# KiCad board SoundLab16StepSequencer.kicad_pcb (continued)
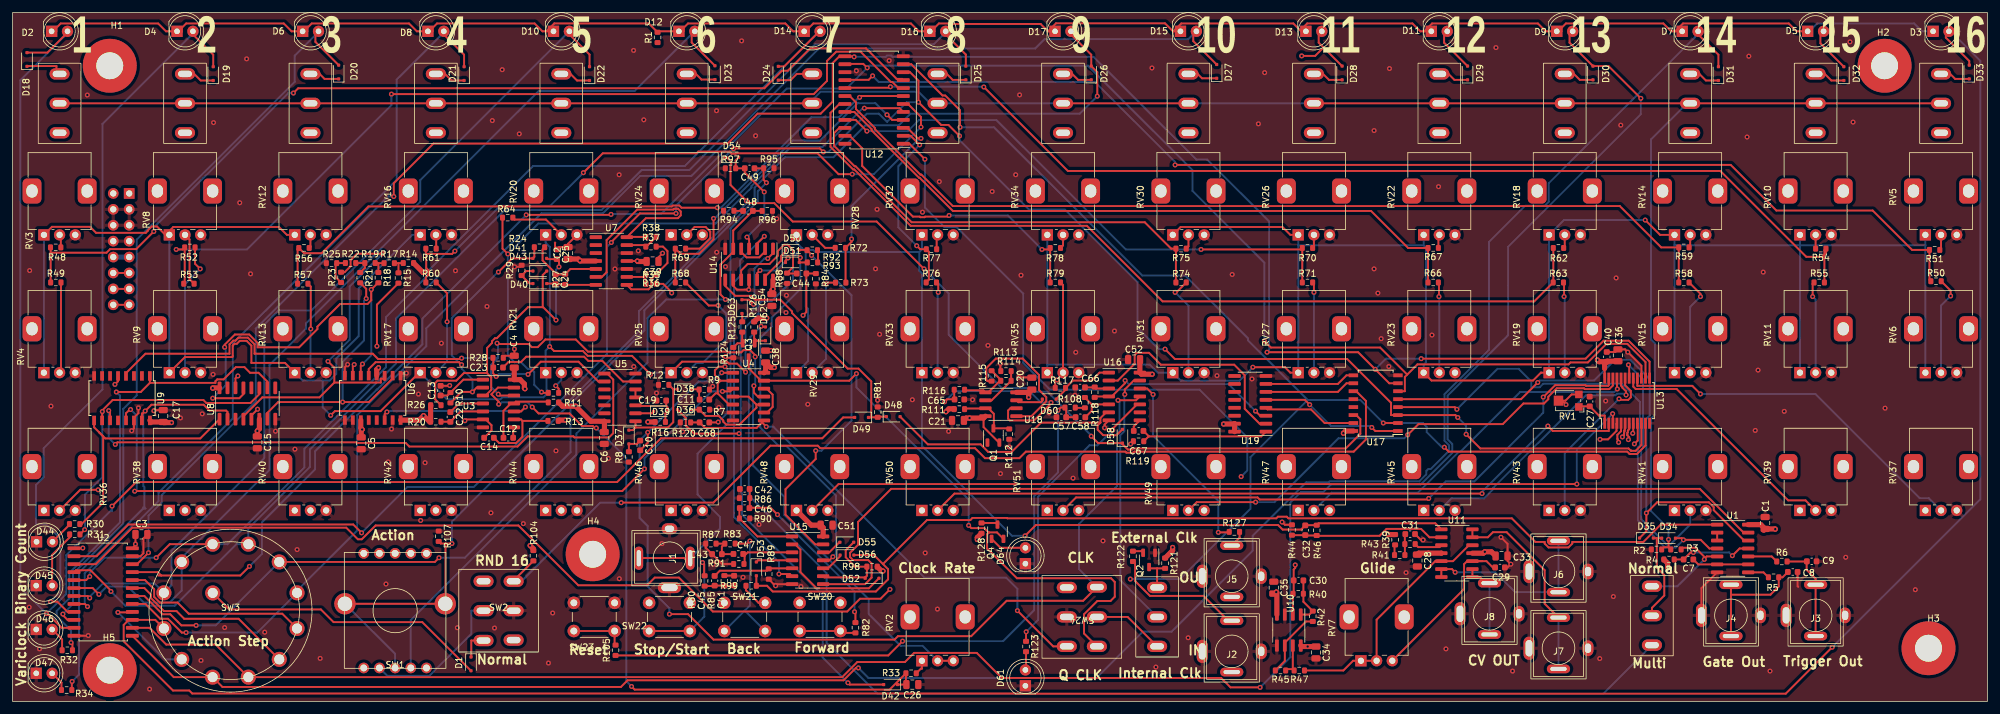
[diagram p0: board, top side]
## Routing (per net, layer and track width the routed paths; a pad name or vN(x,y) marks a point on that pad's centre or on a via; arc(x,y) is an arc through that point) (continued)
/SequencerClocking/DC: length 14.5
  Top w0.305: U17.10 212.7,50.81 211.32,49.43 U19.6
/SequencerClocking/DD: length 14.5
  Top w0.305: U19.7 211.32,50.7 212.7,52.07 U17.9
/SequencerClocking/DN: length 80.5
  Top w0.305: U17.4 229.96,47 v1(230.3,46.65) ; U1.4 270.57,24.43 269.19,25.81 v1(266.43,25.81) 266.16,26.07 D34.2
  Bottom w0.305: v1(266.43,25.81) 265.2,24.58 263.49,24.58 259.15,28.92 259.15,40.54 259.48,40.87 259.48,47.84 256.59,50.73 244.06,50.73 243.51,50.18 242.16,50.18 242.16,51.1 240.16,53.1 236.75,53.1 v1(230.3,46.65)
/SequencerClocking/FWD: length 257.3
  Top w0.305: D18.2 5.55,103.6 8.27,106.31 8.27,107 ; U2.11 7.83,11.76 5.56,14.03 v1(5.4,14.03) ; v1(15.86,31.18) 19.71,35.03 96.4,35.03 103.39,42.02 129.11,42.02 132.44,45.35 D49.2
  Bottom w0.305: 8.27,107 8.27,106.21 1.24,99.18 1.24,18.19 v1(5.4,14.03) 8.55,17.17 8.55,23.35 15.86,30.66 v1(15.86,31.18) 15.86,30.37
/SequencerClocking/REV: length 122.1
  Top w0.305: R84.2 128.07,68.33 C44.2 126.57,62.18 v1(126.05,61.65)
  In1.Cu w0.305: SW1.5 63.25,12.6 63.25,14.43 82.3,33.47 122.63,33.47 131.82,42.67 131.82,54.5 126.05,60.27 v1(126.05,61.65)
/SequencerClocking/RND: length 160.4
  Top w0.305: R104.1 79.9,19.3 SW2.6 ; v1(97.05,31.74) 97.07,31.75 111.76,31.75 120.84,40.84 128.39,40.84 128.79,40.44 153.46,40.44 155.05,38.85 160.53,38.85 161.58,39.89 177.43,39.89 177.61,39.72 178.69,39.72 178.87,39.89 213.85,39.89 215.8,41.84 215.8,47.99 214.25,49.53 U17.11
  Bottom w0.305: SW2.6 81.15,19.2 93.69,31.74 v1(97.05,31.74)
/SequencerClocking/RST: length 44.6
  Top w0.305: 173.46,44.52 163.98,44.52 159.31,39.85 155.56,39.85 154.36,41.05 145.95,41.05 D48.2 ; 173.46,44.52 173.02,44.08 173.02,43.39 173.89,42.52 176.05,42.52 D58.2 ; 173.46,44.52 173.46,45.24 174.37,46.16 U16.6
/SequencerClocking/STP: length 103.2
  Top w0.305: R96.2 118.04,78.33 114.91,75.19 114.91,71.8 112.87,69.76 112.87,64.99 v1(113.67,64.19)
  Bottom w0.305: SW1.2 63.5,13.01 89.9,39.41 89.9,42.77 101.24,54.11 101.24,61.2 104.22,64.18 113.67,64.18 v1(113.67,64.19)
/SequencerClocking/UP: length 89.8
  Top w0.305: U17.5 240.53,48.26 v1(243.19,50.93) ; D35.1 260.51,27.19 v1(260.51,30.08) 262.23,31.8 270.47,31.8 271.25,31.02 271.25,30.55 276.11,25.69 U1.12
  Bottom w0.305: v1(260.51,30.08) 260.51,45.14 261.06,45.68 261.06,51.44 257.95,54.55 255.49,54.55 252.19,51.24 243.51,51.24 v1(243.19,50.93)
/SequencerClocking/X2: length 99.1
  Top w0.305: v1(120.41,70.73) 121.26,71.57 121.26,72.28 ; D36.2 107.36,45.27 107.36,44.05 108.64,42.77 v1(115.85,42.77) ; D42.2 133.49,2.7 v1(133.21,2.98) ; D63.2 117.41,64.15 v1(118.15,63.41)
  Bottom w0.305: v1(120.41,70.73) 119.89,70.73 118.3,69.13 118.3,63.56 v1(118.15,63.41) 118.15,62.49 116.13,60.47 116.13,43.05 v1(115.85,42.77) 116.15,42.48 116.15,33.42 116.32,33.24 116.32,29.83 129.18,16.97 129.18,7.02 v1(133.21,2.98)
/SequencerClocking/XSTP: length 79.9
  Top w0.305: J1.T 99.88,22.9 107.09,22.9 107.59,22.39 ; v1(120.2,82.83) 119.75,83.28 119.75,85.12 ; 119.75,85.12 R95.1 ; 119.75,85.12 C49.1
  Bottom w0.305: J1.T 108.07,22.88 112.8,27.6 112.8,29.47 109.22,33.05 109.22,39.57 114.47,44.82 114.47,75.52 118.82,79.87 118.82,81.45 v1(120.2,82.83)
/SequencerInput/Gate: length 19.6
  Top w0.305: C8.2 282.23,19.82 R5.2 281.62,18.38 280.3,17.05 274,17.05 ; 274,17.05 J4.T ; 274,17.05 J4.T
/SequencerInput/Q4: length 142.7
  Top w0.305: D22.2 92,103.29 88.29,107 ; U2.7 11.99,16.84 v1(12.3,16.53)
  Bottom w0.305: 88.29,107 88.29,106.53 65.01,83.25 65.01,79.79 47.66,62.44 42.4,62.44 40.13,60.17 40.13,38.86 25.33,24.06 25.33,18.55 SW3.1 22.63,18.85 14.43,18.85 12.3,16.72 v1(12.3,16.53)
/SequencerInput/Q5: length 158.9
  Top w0.305: 108.29,107 108.29,105.21 D23.2 ; U2.6 12.77,18.11 v1(13.77,17.11)
  Bottom w0.305: 108.29,107 108.29,106.57 99.18,97.46 83.88,97.46 46.8,60.37 46.8,59.54 40.98,53.72 40.98,36.98 26.97,22.97 SW3.2 26.97,17.72 25.04,15.79 20.93,15.79 18.38,18.35 15,18.35 v1(13.77,17.11)
/SequencerInput/Q6: length 170.9
  Top w0.305: D24.2 123.04,101.4 128.26,106.63 128.26,107 ; SW3.3 25.06,25.12 v1(22.9,22.95) ; U2.5 11.74,19.38 v1(12.3,19.95)
  Bottom w0.305: 128.26,107 128.26,106.58 107.19,85.5 83.01,85.5 66.34,68.83 66.34,68.16 59.55,61.38 59.55,53.37 46.53,40.35 46.53,37.37 34.28,25.12 SW3.3 ; v1(22.9,22.95) 14.69,22.95 12.3,20.56 v1(12.3,19.95)
/SequencerInput/Q7: length 193.8
  Top w0.305: v1(15.69,17.57) 15.69,17.7 12.43,20.95 10.1,20.95 U2.4 ; 148.29,107 152,103.29 D25.2
  Bottom w0.305: 148.29,107 148.29,106.33 146.9,104.94 127.99,104.94 110.09,87.04 110.09,87.04 107.91,84.86 100.32,84.86 93.92,78.46 78.46,78.46 61.14,61.14 61.14,53.97 47.41,40.24 47.41,37.43 37.6,27.62 SW3.4 35.69,25.12 25.86,15.29 17.97,15.29 v1(15.69,17.57)
/SequencerInput/Q8: length 210.7
  Top w0.305: 168.26,107 172,103.27 D26.2 172.96,100.49 v1(172.96,96.64) ; U2.18 21.02,16.84 23.93,13.93 25.15,13.93 26.92,12.15 v1(29.28,12.15) ; SW3.5 67.33,22.28 v1(68,22.95)
  Bottom w0.305: SW3.5 32.4,12.15 v1(29.28,12.15) ; v1(68,22.95) 72.12,22.95 88.97,39.8 88.97,47.48 100.74,59.25 100.74,62.47 113.97,75.7 113.97,75.73 118.32,80.08 118.32,82.06 123.16,86.9 130.9,86.9 135.98,91.97 136.93,91.97 136.95,92 141.32,92 143.17,93.85 170.17,93.85 v1(172.96,96.64)
/SequencerInput/Q9: length 230.8
  Top w0.305: v1(27.67,11) 26.99,11 24.78,13.21 23.56,13.21 21.19,15.57 U2.17 ; D27.2 188.26,105.44 188.26,107
  Bottom w0.305: v1(27.67,11) 39.02,11 SW3.6 45.36,17.71 54.94,27.29 54.94,45.7 65.96,56.72 65.96,59.58 84.34,77.95 94.13,77.95 100.08,83.91 108.24,83.91 128.59,104.26 163.07,104.26 164.56,105.75 187.48,105.75 188.5,106.77 188.26,107
/SequencerInput/Q10: length 328.1
  Top w0.305: 208.26,107 208.26,105.19 209.04,104.41 ; 209.04,104.41 207.7,103.08 v1(205.55,103.08) ; 209.04,104.41 D28.2 ; SW3.7 43.01,14.01 28.09,14.01 26.31,15.79 23.49,15.79 22.58,16.7 22.58,17.92 21.12,19.38 U2.20
  In1.Cu w0.305: v1(205.55,103.08) 189.78,87.3 145.88,87.3 145.81,87.38 145.14,87.38 143.94,86.18 18.88,86.18 14.26,81.56 14.26,79.58 14.25,79.58 14.25,61.88 15.1,61.03 15.1,58.1 34.28,38.93 34.28,38.72 49.84,23.15 49.84,16.13 SW3.7
/SequencerInput/Q11: length 348.6
  Top w0.305: D29.2 228.26,105.19 228.26,107 ; SW3.8 36.05,13.2 27.37,13.2 26.15,14.43 24.14,14.43 22.08,16.49 22.08,17.05 21.02,18.11 U2.19
  In1.Cu w0.305: 228.26,107 228.26,106.54 227.16,105.43 121.65,105.43 119.93,103.7 108.03,103.7 91.13,86.8 18.65,86.8 13.75,81.9 13.75,79.79 12.88,78.92 12.88,62.08 13.75,61.21 13.75,50.55 36.04,28.26 36.04,14.72 36.63,14.13 36.63,12.62 SW3.8
/SequencerInput/Q12: length 334.1
  Top w0.305: 248.26,107 248.26,105.19 D30.2 254.48,101.45 v1(259.62,96.3) ; U2.14 21.83,11.76 24.51,9.09 32.4,9.09 SW3.9 132.28,3.88 134.7,6.3 142.3,6.3 143.75,7.75 153.74,7.75 157.74,3.75 192.71,3.75 194.21,2.25 v1(198.93,2.25)
  Bottom w0.305: v1(259.62,96.3) 259.62,93.75 238.48,72.6 238.48,58.49 228.82,48.84 228.82,41.85 229.56,41.11 229.56,39.69 224.52,34.64 210.22,34.64 209.02,33.45 205.45,33.45 203.75,31.75 203.75,7.07 v1(198.93,2.25)
/SequencerInput/Q13: length 324.9
  Top w0.305: v1(134.87,5.36) 134.47,5.36 132.49,3.38 98.06,3.38 97,2.32 33.47,2.32 SW3.10 25.7,3.88 U2.13 ; 268.26,107 272,103.27 D31.2
  Bottom w0.305: v1(134.87,5.36) 136.47,3.75 172.83,3.75 180.23,11.15 184.81,11.15 197.75,24.09 197.75,26.47 206.29,35 209.87,35 210.01,35.15 224.31,35.15 225.42,36.26 225.42,36.81 225.72,37.1 226.13,37.1 229.05,40.02 229.05,40.91 228.32,41.64 228.32,49.05 235.41,56.14 235.41,73.37 241.18,79.15 244.31,79.15 244.95,79.79 244.95,82.75 268.26,106.06 268.26,107
/SequencerInput/Q14: length 388.6
  Top w0.305: D32.2 288.26,105.08 288.26,107 ; v1(16.8,14.22) 19.03,14.22 U2.16
  In1.Cu w0.305: 288.26,107 288.26,107.46 287.25,108.48 112.04,108.48 109.19,105.62 108.69,105.62 90.76,87.7 14.08,87.7 10.05,83.67 10.05,79.75 11.67,78.13 11.67,74.4 8.75,71.48 8.75,58.85 11.55,56.05 11.55,41.41 10.05,39.91 10.05,34.95 10.8,34.2 11.59,34.2 16.72,29.07 16.72,14.31 v1(16.8,14.22)
  Bottom w0.305: v1(16.8,14.22) 24.3,6.72 SW3.11
/SequencerInput/Q15: length 406.7
  Top w0.305: SW3.12 22.76,13.03 U2.15 18.53,13.03 17.72,12.22 17.72,9.61 25.58,1.75 28.17,1.75 28.65,1.28 160.25,1.28 160.28,1.25 282.73,1.25 v1(290.14,8.66) ; 308.26,107 308.26,105.99 312,102.26 D33.2
  Bottom w0.305: 308.26,107 309.04,107 313.76,102.27 313.76,32.28 v1(290.14,8.66)
/SequencerInput/SBV1: length 15
  Top w0.305: D35.2 261.65,26.07 262.18,26.07 ; SW26.2 261.4,14.95 263.37,16.93 263.37,20.17 262.18,21.37 262.18,26.07 ; D34.1 262.18,26.07
/SequencerInput/SBV2: length 17.1
  Top w0.305: 269.85,22.88 269.85,22.79 v1(269.75,22.69) ; 269.85,22.88 270.13,23.16 U1.5 ; 269.85,22.88 269.85,23.01 268.31,24.55 266.32,24.55 R3.2
  Bottom w0.305: SW26.1 265.47,18.4 v1(269.75,22.69)
/SequencerInput/Trig: length 15.7
  Top w0.305: R6.2 286.07,22.35 C9.2 286.07,22.35 286.07,21.01 287.5,19.58 J3.T
/VariClock1/CLK: length 189
  Top w0.305: v1(118.41,55.03) 118.41,55.3 117.61,56.1 116.55,56.1 116.19,55.74 114.12,55.74 114.01,55.86 91.75,55.86 89.81,57.79 84.95,57.79 83.73,56.57 82.8,56.57 82.31,57.07 77.39,57.07 v1(77.26,57.2) ; v1(71.6,54.82) 71.46,54.67 58.29,54.67 57.44,55.52 38.59,55.52 38.59,57.03 37.53,58.09 36.02,58.09 35.55,57.62 35.19,57.62 34.6,57.03 34.6,55.52 21.19,55.52 18.09,52.43 U9.4 ; v1(118.2,50.4) 118.2,49.32 118.85,48.68 U4.11 ; U3.12 77.67,48.84 v1(77.45,49.07) ; RV2.2 RV2.3
  Bottom w0.305: 77.38,54.83 76.3,53.75 76.3,50.22 v1(77.45,49.07) ; 77.38,54.83 71.62,54.83 v1(71.6,54.82) ; 77.38,54.83 77.39,54.82 77.39,57.07 v1(77.26,57.2) ; RV2.2 145.12,8.88 141.6,8.88 136.53,13.95 136.53,16.32 123.07,29.77 123.07,32.67 118.08,37.66 118.08,50.27 v1(118.2,50.4) 118.41,50.61 v1(118.41,55.03)
/VariClock1/CLR: length 118.9
  Top w0.305: v1(18.82,46.61) 18.69,46.61 18.09,46.01 U9.13 ; 114.88,49.94 114.44,49.51 v1(113.19,49.51) ; v1(19.47,33.57) 19.5,33.6 97.22,33.6 v1(100.76,37.14)
  Bottom w0.305: v1(113.19,49.51) 111.45,49.51 100.76,38.82 v1(100.76,37.14) ; v1(19.47,33.57) 19.8,33.9 19.8,45.63 v1(18.82,46.61)
/VariClock1/DV: length 6
  Top w0.305: RV1.1 249.85,47.12 C27.1 252.95,45.65 253.88,45.65 U13.1
/VariClock1/QCK: length 163.3
  Top w0.305: C10.2 101.29,41.31 v1(101.29,42.97) ; v1(104.74,13.95) 107.7,13.95 111.77,9.88 140.63,9.88 141.18,10.43 152.86,10.43 158.51,16.08 170.71,16.08 SW24.1 ; v1(176.26,48.09) 179.14,48.09 U16.11 ; v1(113.07,52.49) 113.07,52.49 U4.1
  Bottom w0.305: v1(113.07,52.49) 111.71,51.12 109.44,51.12 v1(101.29,42.97) 99.98,41.66 99.98,29.32 101.28,28.03 101.28,18.35 104.74,14.89 v1(104.74,13.95) ; v1(176.26,48.09) 176.51,47.84 176.51,43.11 176.12,42.72 176.12,34.42 170.05,28.35 170.05,21.12 SW24.1
/VariClock1/RST: length 18.6
  Top w0.305: 118.61,47.41 117.34,48.68 U4.4 ; 118.61,47.41 118.61,46.91 115.9,44.2 113.8,44.2 113.32,44.68 113.32,44.87 112.61,45.59 110.51,45.59 R7.1 D36.1 ; 118.61,47.41 U4.10
/VariClock1/SET: length 24
  Top w0.305: C11.2 112.1,49.2 112.44,49.2 ; 112.44,49.2 112.44,50.77 112.88,51.22 ; 112.44,49.2 114.23,47.41 U4.5 ; C68.2 112.46,44.55 v1(112.52,44.61) ; U4.2 112.88,51.22 ; 112.88,51.22 111.99,52.11 111.99,52.86 112.58,53.45 v1(113.59,53.45)
  Bottom w0.305: v1(113.59,53.45) 113.95,53.09 113.95,46.04 v1(112.52,44.61)
/VariClock2/Clock_Out: length 10.9
  Top w0.305: J5.T 195.65,26.15 R127.2
  In2.Cu w0.305: J5.T J5.T
/VariClock2/EXT_CLK_Input: length 29.7
  Top w0.305: R122.2 178.99,22.01 178.99,19.23 181.36,16.86 189.9,16.86 194.4,12.35
  In2.Cu w0.305: J2.T J2.T
/VariClock2/Q2: length 97.9
  Top w0.305: v1(134.55,52.34) 133.43,51.22 U4.13 119.35,51.22 117.38,53.19 Q3.3 ; 155.65,26.96 154.94,27.68 152.89,27.68 v1(152.45,28.11) ; 155.65,26.96 155.69,27 156.97,27 Q4.2 ; 155.65,26.96 155.39,26.7 155.39,24.43 160.15,19.68 175.15,19.68 175.75,19.07 175.75,16.72 175.07,16.05 172.98,16.05 170.85,13.92 170.85,10.85 SW24.3
  Bottom w0.305: v1(152.45,28.11) 152.45,32.25 134.55,50.14 v1(134.55,52.34)
GB: length 378.2
  Top w0.305: 167,95.5 187,95.5 ; 264.05,24.62 R3.1 ; 264.05,24.62 v1(264.05,25.87) ; 264.05,24.62 263.3,24.62 R2.1 ; 307,95.5 207,95.5 ; 127,95.5 7,95.5
  Bottom w0.305: 127,95.5 128.85,97.35 144.45,97.35 146.3,95.5 167,95.5 ; v1(264.05,25.87) 264.05,27.62 261.25,30.42 261.25,45.16 261.88,45.79 261.88,57.17 261.25,57.79 261.25,89.75 267,95.5 ; 207,95.5 187,95.5
I/O: length 117.7
  Top w0.305: v1(204.52,21.8) 204.52,21.32 204.27,21.07 C30.1 204.27,17.3 R40.1 204.13,17.16 U10.2 ; v1(145.47,86.58) 143,89.05 U12.1
  In1.Cu w0.305: v1(204.52,21.8) 204.05,22.28 204.05,22.95 195.9,31.1 v1(195.9,35.9)
  Bottom w0.305: v1(195.9,35.9) 196.88,36.88 196.88,42.18 189.27,49.78 165.42,49.78 161.15,54.05 161.15,65.12 150.52,75.75 148.59,75.75 145.47,78.87 v1(145.47,86.58)
Net-(C7-Pad1): length 9.1
  Top w0.305: C7.1 268.79,21.88 276.75,21.88
Net-(C7-Pad2): length 13
  Top w0.305: U1.11 275.38,24.43 v1(274.23,23.28) ; v1(268,23.79) 267.57,23.79 C7.2 R4.2
  Bottom w0.305: v1(274.23,23.28) 273.71,23.79 v1(268,23.79)
Net-(C12-Pad1): length 12.1
  Top w0.305: C12.1 78.28,46.4 79.45,47.57 U3.11 80.25,47.88 85.3,47.88 R11.2
Net-(C12-Pad2): length 1.7
  Top w0.305: U3.8 79.82,43.64 79.82,42.1
Net-(C13-Pad1): length 7.8
  Top w0.305: C13.1 69.35,48.85 R10.2 71.88,51.38 U3.1
Net-(C14-Pad1): length 13.4
  Top w0.305: U3.9 81.07,45.03 81.3,44.8 ; 81.3,44.8 81.3,42.28 80.28,41.26 77.59,41.26 C14.1 ; 81.3,44.8 R13.2
Net-(C22-Pad1): length 7.4
  Top w0.305: 69.81,44.67 R20.2 ; 69.81,44.67 71.44,46.31 U3.5 ; 69.81,44.67 C22.1
Net-(C22-Pad2): length 5.8
  Top w0.305: U3.4 71.19,47.57 C22.2
Net-(C23-Pad1): length 22.8
  Top w0.305: v1(82.2,52.22) 84.22,54.25 90.24,54.25 93.4,51.09 U5.9 ; R28.2 76.65,54.82 C23.1 76.62,53.29 76.62,52.38 v1(77.12,51.89)
  Bottom w0.305: v1(82.2,52.22) 82.12,52.3 77.52,52.3 v1(77.12,51.89)
Net-(C23-Pad2): length 23.5
  Top w0.305: C23.2 79.09,54.21 81.07,54.21 81.91,55.05 91.13,55.05 91.8,54.38 94.04,54.38 97.33,51.09 U5.6
Net-(C30-Pad2): length 7.7
  Top w0.305: C30.2 R40.2 205.82,15.93 R42.2 206.77,13.88 U10.1
Net-(C31-Pad1): length 3.4
  Top w0.305: R41.1 222.01,25.12 R43.2 222,26.65 C31.1
Net-(C32-Pad2): length 468.8
  Top w0.305: v1(161.44,26.45) 163.17,28.18 201.79,28.18 202.52,27.45 205.46,27.45 C32.2 206.16,28.15 R46.1 208.25,28.45 226.86,28.45 U11.1 ; RV25.1 106.75,54.25 113.92,54.25 114.24,53.94 115.53,53.94 v1(116.88,52.59) ; RV12.1 43.75,74.5 42.49,75.75 25.63,75.75 24.37,74.5 ; RV9.1 27.49,54.99 35.02,54.99 35.1,55.08 35.1,56.82 35.4,57.11 35.76,57.11 36.23,57.58 37.32,57.58 38.08,56.82 38.08,54.06 43.44,54.06 RV13.1 ; v1(85.64,56.66) 86.35,55.95 90.94,55.95 91.71,55.18 98.78,55.18 v1(101.73,52.23) ; 24.37,74.5 23.03,75.84 22.19,75.84 21.55,75.19 21.55,75.13 21.24,74.82 13.32,74.82 12.36,75.78 6.28,75.78 RV3.1 ; 24.37,74.5 RV8.1 ; v1(50.73,45.69) 51.4,46.36 58.69,46.36 64.82,52.5 RV17.1
  In2.Cu w0.305: RV28.1 123.55,75.95 106.45,75.95 RV24.1
  Bottom w0.305: RV25.1 102.01,52.5 v1(101.73,52.23) ; RV28.1 125,73.25 125.88,72.37 ; 144.58,71.77 145,72.19 RV32.1 ; 144.58,71.77 127.99,71.77 127.66,72.1 126.81,72.1 126.47,71.77 ; 144.58,71.77 144.58,68.76 145,68.34 RV33.1 145,51.25 145,40.81 159.37,26.45 v1(161.44,26.45) ; RV16.1 63.75,74.5 55.2,65.95 55.2,58.35 51.62,54.77 51.62,52.31 50.54,51.23 49.45,51.23 ; RV9.1 RV8.1 ; 126.47,71.77 126.47,63.06 126.85,62.68 126.85,54.35 RV29.1 ; 126.47,71.77 125.88,72.37 ; RV3.1 RV4.1 ; 125.88,72.37 125.79,72.37 124.45,71.03 124.45,67.35 121.01,63.91 119.42,63.91 118.95,63.44 118.95,63.02 118.95,63.02 118.95,61.84 116.88,59.78 v1(116.88,52.59) ; 49.45,51.23 46.27,51.23 RV13.1 ; 49.45,51.23 49.45,46.96 v1(50.73,45.69) ; RV17.1 69.24,48.26 77.79,48.26 78.09,48.56 84.66,48.56 85.15,49.06 85.15,52.35 RV21.1 85,56.02 v1(85.64,56.66) 85.67,56.7 85.67,72.57 85,73.25 RV20.1
Net-(C41-Pad1): length 4.8
  Top w0.305: R80.1 111.88,18.43 C45.1 113.45,18.5 R85.2 114.97,18.45 C41.1
Net-(C42-Pad1): length 30.3
  Top w0.305: v1(134.26,14.32) 134.4,14.18 R82.2 ; C46.1 117.55,30.93 ; 117.55,30.93 120.88,30.93 v1(121.97,29.83) ; 117.55,30.93 R86.2 117.55,33.91 C42.1
  Bottom w0.305: v1(134.26,14.32) 134.26,17.54 v1(121.97,29.83)
Net-(C43-Pad1): length 5.1
  Top w0.305: C47.1 114.93,23.53 C43.1 113.1,24.72 R83.2 112.18,25.2
Net-(C45-Pad2): length 12.9
  Top w0.305: U15.5 124.28,21.25 120.65,21.25 120.28,20.88 112.78,20.88 C45.2
Net-(C46-Pad2): length 11.3
  Top w0.305: U15.1 118.78,26.35 R90.2 115.9,30.82 C46.2
Net-(C47-Pad2): length 9.5
  Top w0.305: 116.72,23.31 117.23,23.81 U15.3 ; 116.72,23.31 116.5,23.53 C47.2 ; 116.72,23.31 116.72,22.05 R91.2
Net-(C48-Pad1): length 1.5
  Top w0.305: R94.1 115.04,78.33 C48.1
Net-(C57-Pad1): length 107.6
  Top w0.305: v1(166.7,46.49) 167.14,46.93 R108.2 168,46.73 C57.1 C58.2 ; R105.1 139.63,7.35 v1(141.91,9.63)
  Bottom w0.305: v1(141.91,9.63) 157.94,9.63 162.9,14.59 162.9,32.79 166.7,36.59 v1(166.7,46.49)
Net-(C58-Pad1): length 6.8
  Top w0.305: 172.08,47.43 172.08,46.41 C58.1 ; 172.08,47.43 U16.5 ; 172.08,47.43 R110.1
Net-(C66-Pad2): length 3.9
  Top w0.305: C66.2 172.5,50.15 R118.2 172.78,49.97 U16.3
Net-(C67-Pad2): length 2.1
  Top w0.305: C67.2 178.78,43.91 U16.8
Net-(D1-A): length 46.3
  Top w0.305: SW3.13 34.55,14.7 49.16,14.7 51.19,12.67 65.33,12.67 D1.2
Net-(D1-K): length 4.6
  Top w0.305: SW2.1 73.15,9.73 73.15,7.15 D1.1
Net-(D10-K): length 321.8
  Top w0.305: 185.72,107 185.1,107 ; 185.1,107 186.35,108.25 204.22,108.25 205.48,107 205.73,107 205.73,107.55 206.43,108.25 223.22,108.25 224.47,107 225.1,107 ; 185.1,107 185.03,107 183.76,108.27 166.37,108.27 165.1,107 ; 165.72,107 165.1,107 ; 165.1,107 163.93,108.17 149.39,108.17 149.31,108.25 147.71,108.25 147,107.55 147,107 144.5,107 143.24,108.25 127.68,108.25 126.98,107.55 126.98,107 124.47,107 123.22,108.25 107.71,108.25 107,107.55 107,107 103,107 R1.2 101.44,108.26 86.38,108.26 85.12,107 ; 85.75,107 85.12,107 ; 85.12,107 84.5,107 83.24,108.25 67.68,108.25 66.98,107.55 66.98,107 64.47,107 63.22,108.25 47.71,108.25 47,107.55 47,107 44.5,107 43.24,108.25 27.68,108.25 26.98,107.55 26.98,107 24.47,107 23.22,108.25 7.68,108.25 6.98,107.55 6.98,107 5.72,107 ; 265.1,107 264.47,107 263.22,108.25 247.68,108.25 246.98,107.55 246.98,107 244.47,107 243.22,108.25 226.35,108.25 225.1,107 ; 265.1,107 265.73,107 ; 265.1,107 266.35,108.25 283.22,108.25 284.47,107 285.73,107 ; 225.1,107 225.73,107
  Bottom w0.305: 305.73,107 304.47,107 303.22,108.25 287.75,108.25 286.49,107 285.73,107
Net-(D18-K): length 6
  Top w0.305: D18.1 2.35,101.45 7,101.45 7,100.2
Net-(D19-A): length 116
  Top w0.305: 28.27,107 32,103.27 D19.2 ; U2.9 8.78,14.3 7.13,15.94 v1(6.06,15.94)
  Bottom w0.305: 28.27,107 28.27,106.14 14.34,92.22 14.34,49.81 4.95,40.43 4.95,35.79 3.75,34.59 3.75,28.27 5.36,28.27 7.62,26.02 7.62,17.5 v1(6.06,15.94)
Net-(D19-K): length 5.4
  Top w0.305: D19.1 30,99.15 28.95,100.2 27,100.2
Net-(D20-A): length 118.9
  Top w0.305: D20.2 48.29,105.31 48.29,107 ; U2.10 8.78,13.03 8.02,13.78 v1(8.02,13.95)
  Bottom w0.305: v1(8.02,13.95) 9.63,15.56 9.63,20.38 17.65,28.4 17.65,46.72 19.8,48.88 19.8,73.73 45,98.93 45,103.12 48.29,106.41 48.29,107
Net-(D20-K): length 5.3
  Top w0.305: D20.1 49.75,99.4 48.95,100.2 47,100.2
Net-(D21-A): length 125.2
  Top w0.305: 68.26,107 72,103.27 D21.2 ; v1(11.95,15.15) 11.53,15.57 U2.8
  Bottom w0.305: v1(11.95,15.15) 11.5,15.6 11.5,20.47 19.5,28.47 19.76,28.47 23.28,31.99 23.28,33.34 35.12,45.18 35.12,57.18 61.24,83.3 61.24,99.3 68.26,106.32 68.26,107
Net-(D21-K): length 5.4
  Top w0.305: 67,100.2 68.95,100.2 70,99.15 D21.1
Net-(D22-K): length 5.4
  Top w0.305: 87,100.2 88.95,100.2 90,99.15 D22.1
Net-(D23-K): length 5.4
  Top w0.305: D23.1 109.85,99.3 108.95,100.2 107,100.2
Net-(D24-K): length 5.3
  Top w0.305: D24.1 124.05,99.2 125.05,100.2 127,100.2
Net-(D25-K): length 5.4
  Top w0.305: D25.1 149.9,99.25 148.95,100.2 147,100.2
Net-(D26-K): length 5.4
  Top w0.305: 167,100.2 168.95,100.2 169.9,99.25 D26.1
Net-(D27-K): length 5.3
  Top w0.305: D27.1 189.65,99.5 188.95,100.2 187,100.2
Net-(D28-K): length 5.4
  Top w0.305: D28.1 209.9,99.25 208.95,100.2 207,100.2
Net-(D29-K): length 5.4
  Top w0.305: 227,100.2 228.95,100.2 229.9,99.25 D29.1
Net-(D30-K): length 5.4
  Top w0.305: D30.1 249.9,99.25 248.95,100.2 247,100.2
Net-(D31-K): length 5.4
  Top w0.305: 267,100.2 268.95,100.2 270,99.15 D31.1
Net-(D32-K): length 5.4
  Top w0.305: 287,100.2 288.95,100.2 290,99.15 D32.1
Net-(D33-K): length 5.3
  Top w0.305: 307,100.2 308.95,100.2 309.75,99.4 D33.1
Net-(D37-A): length 3.3
  Top w0.305: R8.2 D37.2 99.55,41.12 C10.1
Net-(D37-K): length 15.5
  Top w0.305: U5.1 99.32,43.74 ; 99.32,43.74 104.5,43.74 105.35,44.59 105.35,49.85 ; 99.32,43.74 98.91,43.32 D37.1 ; 105.35,49.85 R12.1 ; 105.35,49.85 D38.1
Net-(D38-A): length 2.9
  Top w0.305: C11.1 109.47,48.28 R9.1 109.43,49.85 D38.2
Net-(D39-A): length 8.6
  Top w0.305: 104.22,47.18 104.43,46.98 D39.2 104.1,46 R16.2 ; 104.22,47.18 C19.1 ; 104.22,47.18 99.43,47.18 U5.3
Net-(D39-K): length 3
  Top w0.305: D39.1 101.91,46.01 U5.2
Net-(D40-A): length 7.9
  Top w0.305: U7.7 88.19,66.52 R27.1 88.07,66.62 C24.2 86.47,66.72 85.18,66.72
Net-(D40-K): length 4.4
  Top w0.305: D43.1 81.9,68.72 R29.2 82.45,66.72 D40.1
Net-(D41-A): length 54
  Top w0.305: 75.67,52.44 71.97,52.44 70.75,51.22 67.77,51.22 67.39,50.85 67.39,48.23 R26.2 ; 75.67,52.44 75.67,52.41 76.33,51.75 76.33,49.75 75.42,48.84 U3.3 ; 75.67,52.44 75.67,56.45 76.46,57.24 76.46,57.53 76.93,58 77.22,58 82.18,62.96 84.54,62.96 ; D41.2 85.28,70.62 C25.2 87.13,70.27 v1(87.13,69.4) ; v1(86.65,60.9) 84.6,62.96 84.54,62.96 ; 84.54,62.96 84.54,68.09 85.18,68.72
  Bottom w0.305: v1(87.13,69.4) 86.65,68.92 v1(86.65,60.9)
Net-(D41-K): length 54.6
  Top w0.305: R10.1 71.58,49.43 v1(73.33,49.43) 74.01,50.12 75,50.12 ; R24.2 83.2,70.98 D41.1 79.66,70.75 v1(77.47,68.56) ; v1(71.6,53.77) 71.2,54.17 57.88,54.17 56.8,53.08 U6.5
  Bottom w0.305: v1(77.47,68.56) 77.4,68.56 70.04,61.2 70.04,55.24 71.52,53.77 v1(71.6,53.77) 71.6,53.13 73.33,51.41 v1(73.33,49.43)
Net-(D42-K): length 115.3
  Top w0.305: C26.2 142.45,2.7 ; 142.45,2.7 R33.1 139.85,1.9 99.2,1.9 v1(98.7,2.4) ; 142.45,2.7 D42.1 ; v1(82.87,47.01) 83.88,45.99 88.81,45.99 90.82,43.98 92.52,43.98 92.83,43.67 v1(93.08,43.67) ; v1(77.51,47.46) 77.51,47.87 76.38,49.01 76.38,49.09 77.4,50.12 79.95,50.12
  Bottom w0.305: v1(93.08,43.67) 97.85,38.9 97.85,3.25 v1(98.7,2.4) ; v1(77.51,47.46) 77.7,47.46 78.01,47.77 82.1,47.77 v1(82.87,47.01)
Net-(D44-A): length 3.9
  Top w0.305: 6.36,25.5 9.08,28.21 R30.1
Net-(D45-A): length 9.3
  Top w0.305: R31.1 9.1,26.2 6.31,23.41 D45.2
Net-(D46-A): length 4
  Top w0.305: R32.1 7.9,9.91 D46.2
Net-(D47-A): length 3.3
  Top w0.305: R34.1 7.8,3.01 D47.2
Net-(D48-K): length 39.4
  Top w0.305: U14.8 113.64,66.35 115.22,64.77 117.81,64.77 118.43,64.15 122.42,64.15 124.3,62.27 124.3,62.02 133.17,53.15 134.89,53.15 136.92,51.11 136.92,45.38 ; 136.92,45.38 R81.2 138.05,45.47 139.32,45.47 ; 136.92,45.38 136.9,45.35 D49.1
Net-(D50-A): length 59.3
  Top w0.305: v1(128.06,40.04) 128.06,38.71 123.25,33.9 123.25,29.82 128,25.08 U15.13 ; v1(127.4,71.22) 127.4,71.34 R92.2 126.65,72.1 D50.2
  Bottom w0.305: v1(128.06,40.04) 128.98,40.04 133.78,44.83 133.78,64.85 v1(127.4,71.22)
Net-(D50-K): length 6.1
  Top w0.305: U14.13 119.99,67.84 122.55,70.4 122.55,71.14 123.22,71.82 D50.1
Net-(D51-A): length 60.2
  Top w0.305: R93.2 D51.2 125.44,70.72 v1(125.6,70.88) ; U15.11 130.24,22.54 v1(130.8,23.11)
  Bottom w0.305: v1(125.6,70.88) 125.6,65.84 121.06,61.3 121.06,59.88 119.22,58.04 119.22,43.74 122.16,40.81 123.35,40.81 131.28,32.88 131.28,23.59 v1(130.8,23.11)
Net-(D51-K): length 8
  Top w0.305: D51.1 123.25,70.41 v1(123.66,70.82) ; v1(119.18,68.83) 118.72,68.36 U14.12
  Bottom w0.305: v1(119.18,68.83) 121.8,68.83 123.66,70.68 v1(123.66,70.82)
Net-(D52-A): length 15.7
  Top w0.305: 135.95,19.81 136.22,20.09 136.22,21.53 134.36,21.53 132.85,23.03 132.85,24.15 D55.2 ; 135.95,19.81 D52.2 ; 135.95,19.81 129.44,19.81 U15.9
Net-(D52-K): length 19.5
  Top w0.305: D52.1 136.54,18.07 128.21,18.07 125.63,20.65 125.63,24.25 124.8,25.08 U15.2
Net-(D53-A): length 171.8
  Top w0.305: D53.2 R99.2 120.3,18.47 121.21,17.56 137.66,17.56 139.6,19.5 139.6,21.13 138.78,21.94 ; 138.78,21.94 137.35,23.38 D56.2 ; 138.78,21.94 145.81,28.97 152.73,28.97 153.06,29.31 158.58,29.31 158.64,29.24 201.5,29.24 201.76,29.5 203.18,29.5 203.44,29.24 239.06,29.24 242.82,25.47 244.3,25.47 244.3,25.21 244.91,24.6 248.09,24.6 248.7,25.21 248.7,25.47 260.03,25.47 262.8,28.24 U1.1
Net-(D53-K): length 5.8
  Top w0.305: U15.4 118.87,22.54 D53.1
Net-(D54-A): length 18.8
  Top w0.305: D54.2 115.3,86.4 R97.2 C49.2 116.75,84.46 v1(119.86,81.35) ; 117.45,72.28 117.45,73.8 v1(117.11,74.14)
  Bottom w0.305: v1(117.11,74.14) 119.86,76.9 v1(119.86,81.35)
Net-(D55-K): length 3.3
  Top w0.305: U15.12 130.22,23.81 131.84,25.43 D55.1
Net-(D56-K): length 3.7
  Top w0.305: U15.10 130.03,21.27 131.95,23.19 D56.1
Net-(D60-A): length 4.6
  Top w0.305: D60.2 164.2,48.03 163.96,47.79 160.37,47.79 U18.7